# Altium PCB ModuleBackup4.PcbDoc (part 1 of 3)
Units mil, origin at the board's own origin, x right, y up, seen from the top; angles counter-clockwise.
Board outline 59055.12 x 27559.06 mil, 2 copper layers (Top Layer, Bottom Layer); 175 components, 153 nets, 566 pads, 403 vias.
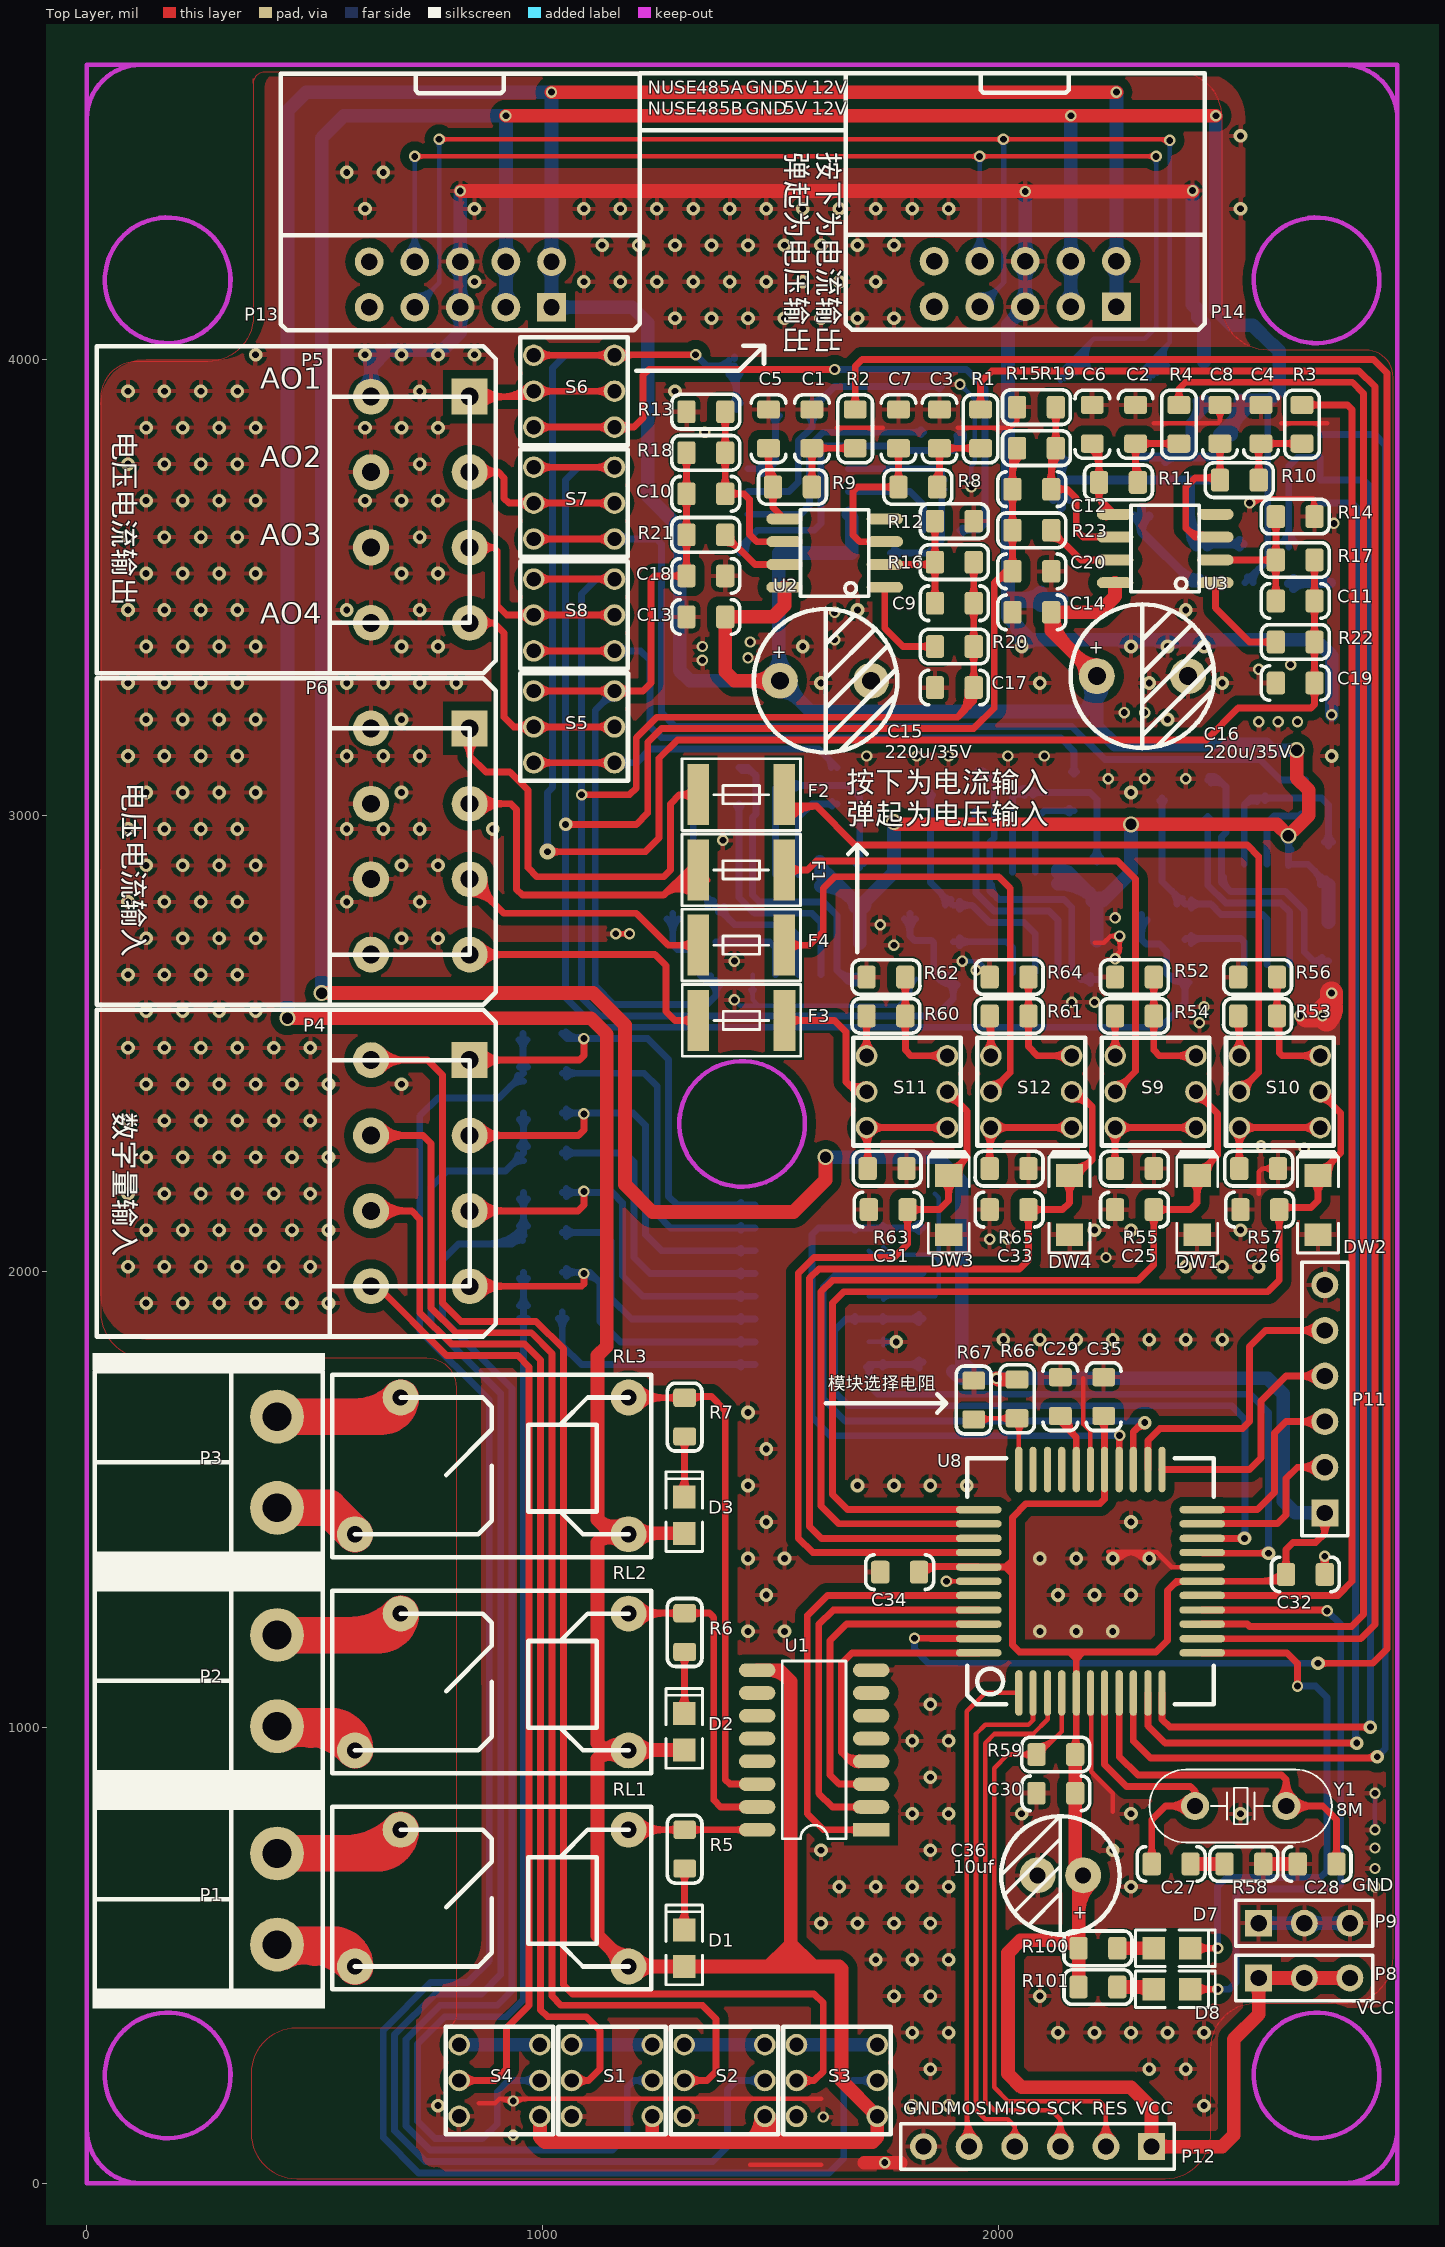
[diagram p0: Top Layer view]
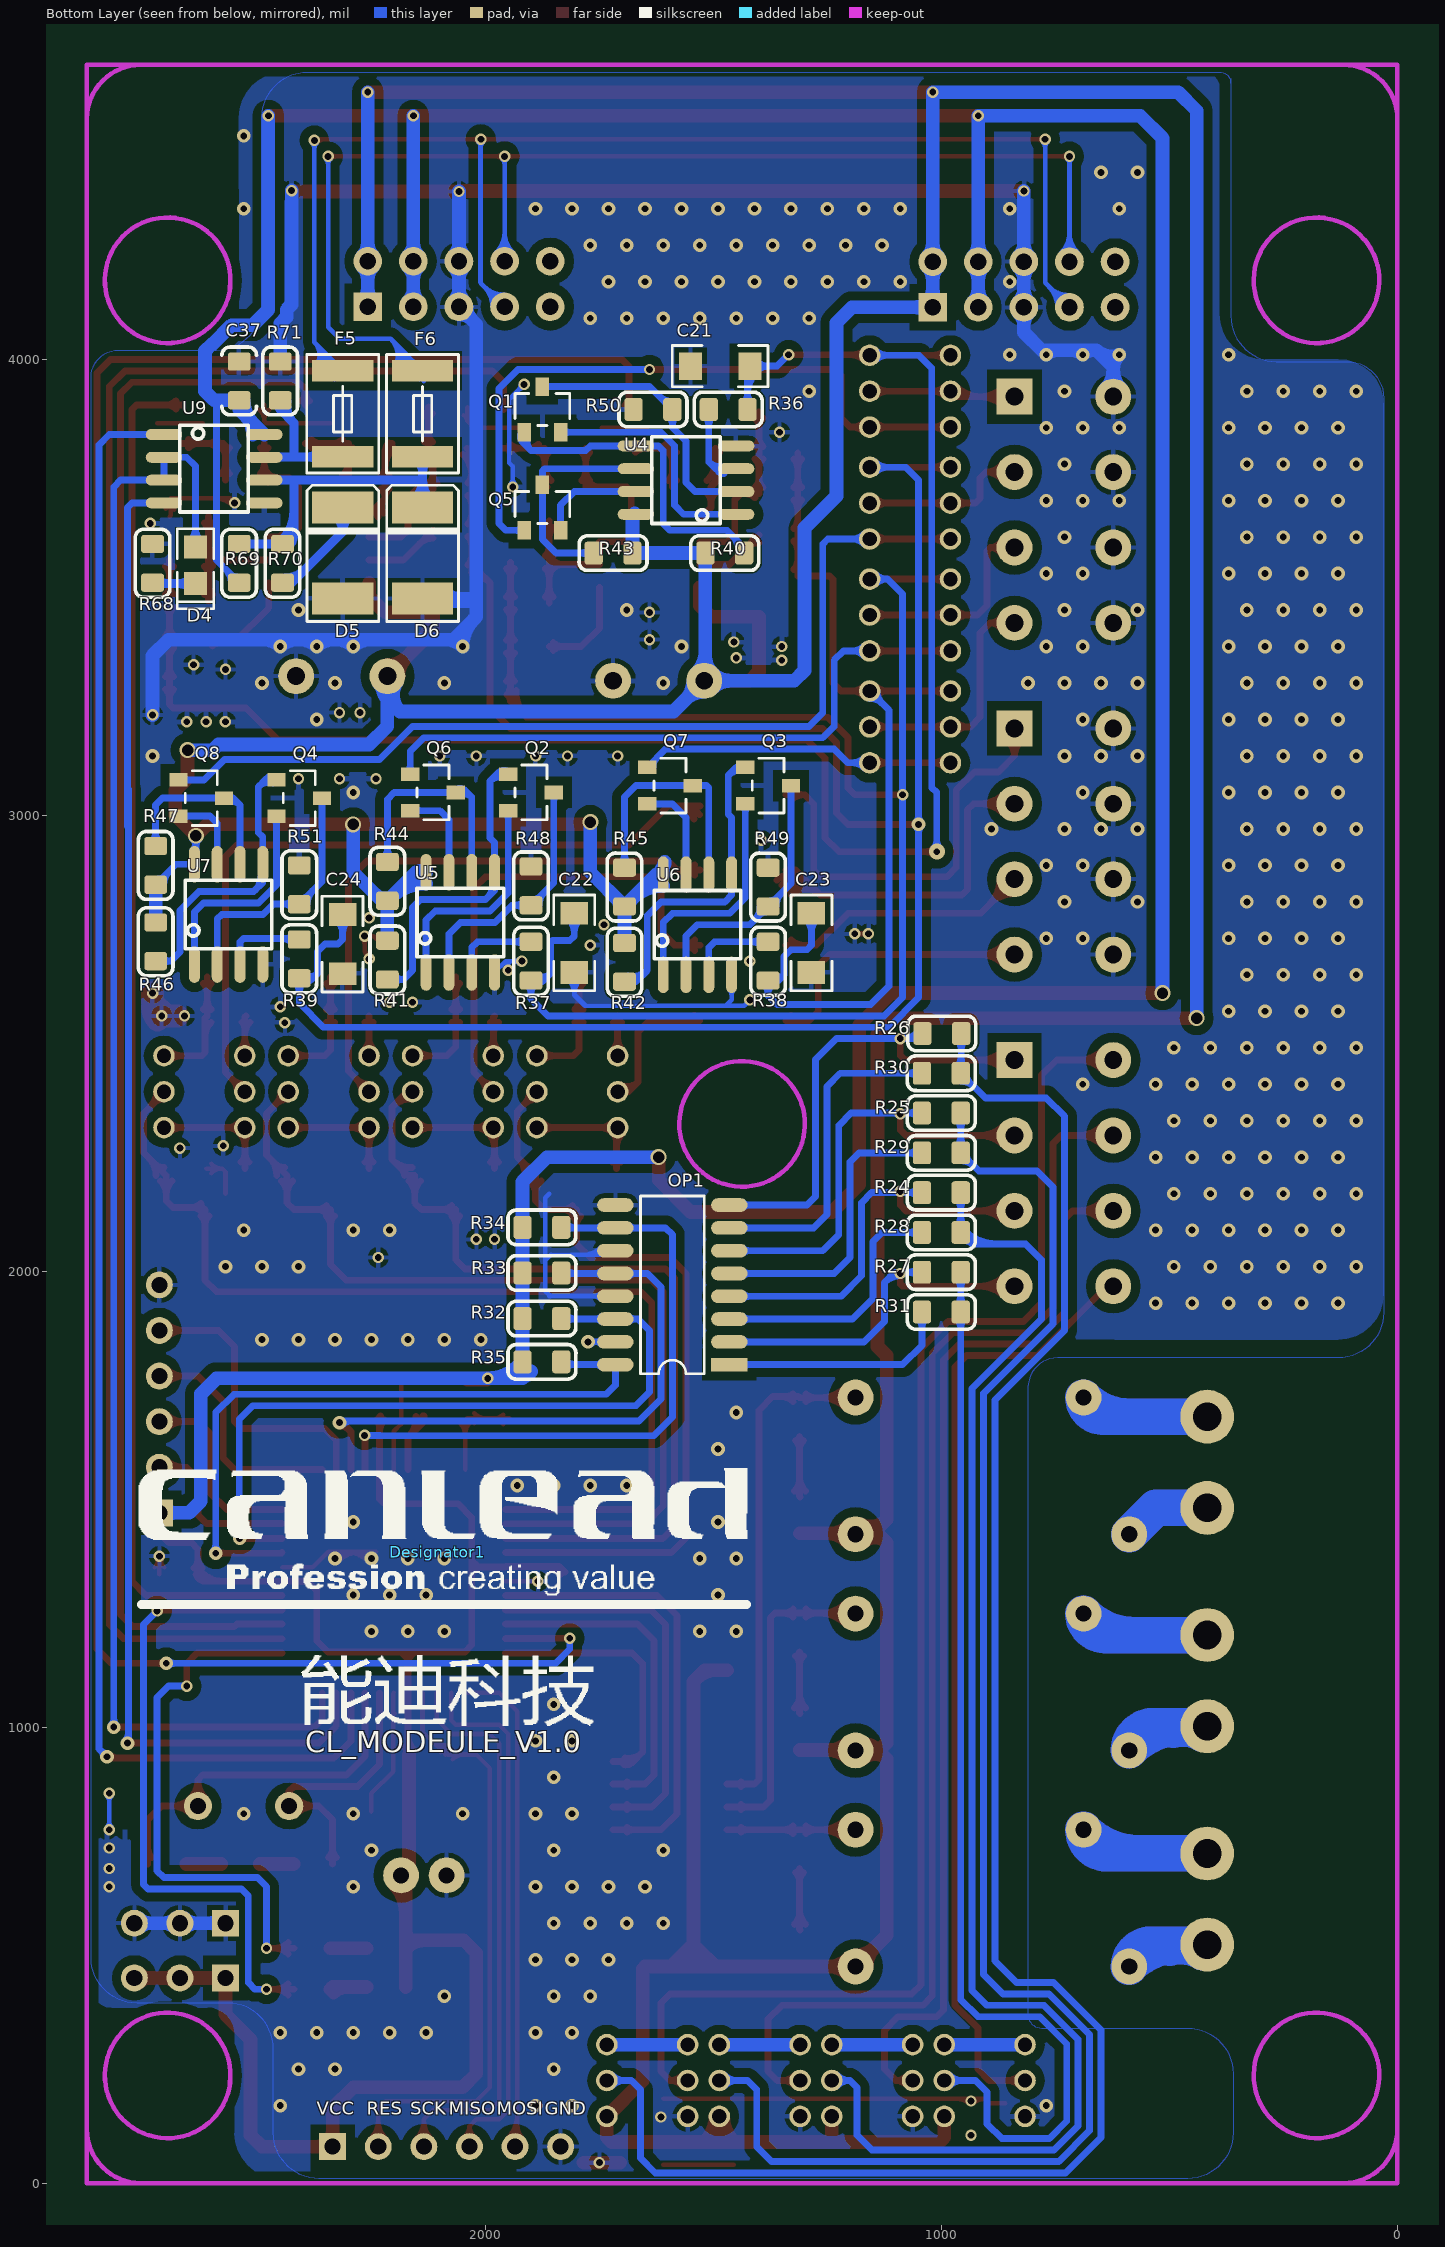
[diagram p1: Bottom Layer view, seen from below]
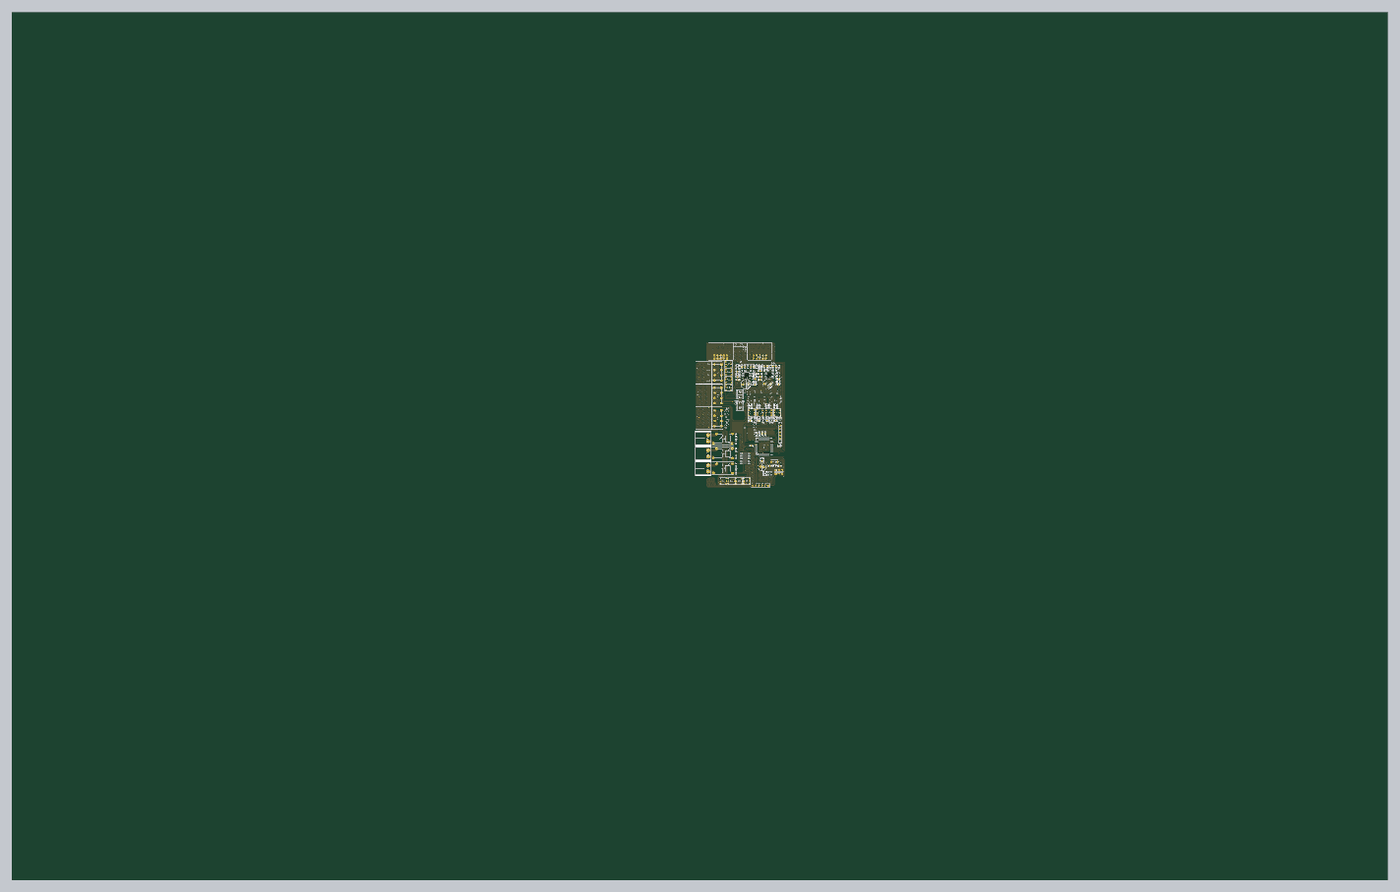
[diagram p4: 3D render of the assembled board from above, using the file's embedded part models]
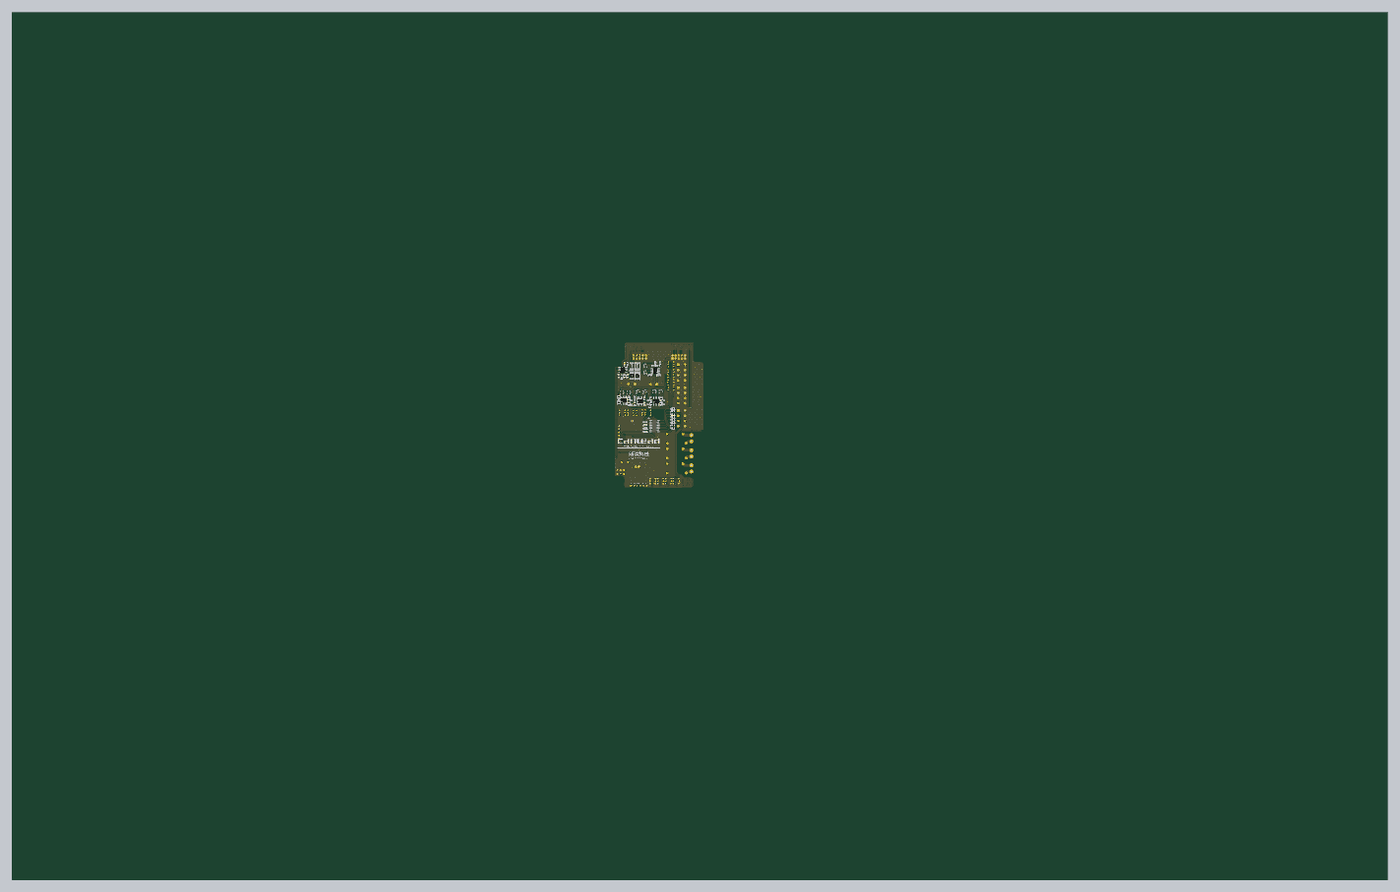
[diagram p5: 3D render of the assembled board from below, using the file's embedded part models]

## Layer stack, top to bottom
Top Solder: solder mask 0.4, Solder Resist, Dk 3.5
Top Layer: signal copper 1.4
Dielectric 1: dielectric 12.6, FR-4, Dk 4.8
Bottom Layer: signal copper 1.4
Bottom Solder: solder mask 0.4, Solder Resist, Dk 3.5

## Board outline
-21689.92,-12450.94 -21689.92,15108.11 37365.2,15108.11 37365.2,-12450.94

## Design rules (kind name [scope] priority, off if disabled: settings)
Clearance Clearance_1 [All] p1: gap=10
Clearance [All] p2: gap=20
ComponentClearance [All] p1 off: gap=10 collisioncheckmode=3 verticalgap=10 showdistances=FALSE
Height [All] p1 off: minheight=0 maxheight=1000 prefheight=500
MinimumSolderMaskSliver [All] p1 off: minsoldermaskwidth=10
PolygonConnect [All] p1: connectstyle=Relief reliefconductorwidth=10 reliefentries=4 polygonreliefangle="90 Angle" airgapwidth=10
RoomDefinition Module [InComponentClass('Module')] p1 off: confinementstyle=ConfineIn formatcopy=TRUE lockcomponents=FALSE outline 4272.5,2360 3457.5,2360 3457.5,1870 4272.5,1870
RoutingVias [All] p1: holewidth=28 width=50 viastyle="Through Hole" minholewidth=28 minwidth=50 maxholewidth=28 maxwidth=50
SilkToBoardRegionClearance [All] p1 off:
SilkToSilkClearance [All] p1 off: silktosilkclearance=10
SilkToSolderMaskClearance [IsPad] p1 off: minsilkscreentomaskgap=10 clearancetoexposedcopper=TRUE
SolderMaskExpansion [All] p1: expansion=4
Width [All] p1: maxlimit=100 minlimit=10 preferedwidth=15 minimp=50.000000 maximp=50.000000 favimp=50.000000
23 further rules are at their usual default settings.

## Components (designator, comment, footprint, x,y, rotation, side; value= is the part's Value field where it differs from the comment)
C1 "105" C0805C 1590,3847.5 r90 top
C2 "105" C0805C 2300,3857.5 r90 top
C3 "105" C0805C 1870,3847.5 r270 top
C4 "105" C0805C 2575,3857.5 r270 top
C5 "105" C0805C 1495,3847.5 r90 top
C6 "105" C0805C 2205,3857.5 r90 top
C7 "105" C0805C 1780,3847.5 r270 top
C8 "105" C0805C 2485,3857.5 r270 top
C9 "104" C0805C 1902.5,3465 r0 top
C10 "104" C0805C 1357.5,3705 r180 top
C11 "104" C0805C 2650.1,3470 r0 top
C12 "104" C0805C 2072.5,3715 r180 top
C13 "104" C0805C 1357.5,3435 r0 top
C14 "104" C0805C 2072.5,3445 r0 top
C15 "220u/35V" E8MM 1620,3295 r0 top
C16 "220u/35V" E8MM 2315,3305 r0 top
C17 "105" C0805C 1902.5,3280 r180 top
C18 "105" C0805C 1357.5,3525 r0 top
C19 "105" C0805C 2650.1,3290 r180 top
C20 "105" C0805C 2072.5,3535 r0 top
C21 "10u/16V" 1206 1485,3985 r0 bottom
C22 "10u/16V" 1206 1805,2720 r270 bottom
C23 "10u/16V" 1206 1285,2720 r270 bottom
C24 "10u/16V" 1206 2313.21,2717.5 r270 bottom
C25 "104" C0805C 2297.5,2135 r180 top
C26 "104" C0805C 2572.5,2135 r180 top
C27 "22p" C0805C 2378,700 r0 top
C28 "22p" C0805C 2698,699.91 r180 top
C29 "104" C0805C 2135,1725 r270 top
C30 "104" C0805C 2125,855 r0 top
C31 "104" C0805C 1757.5,2135 r180 top
C32 "104" C0805C 2672.5,1335 r180 top
C33 "104" C0805C 2022.5,2135 r180 top
C34 "104" C0805C 1782.5,1340 r0 top
C35 "104" C0805C 2230,1725 r90 top
C36 "10uf" E6.5MM 2185,675 r180 top
C37 "104" C0805C 2540,3952.5 r90 bottom
D1 "LED0" LED0805 1310,475 r270 top
D2 "LED0" LED0805 1310,950 r270 top
D3 "LED0" LED0805 1310,1425 r270 top
D4 "LED" LED0805 2636,3588.11 r90 bottom
D5 "SMBJ6.8" SMBJ_SMT 2312.9,3575 r90 bottom
D6 "SMBJ6.8" SMBJ_SMT 2137.9,3575 r90 bottom
D7 "LED" LED0805 2340,515 r180 top
D8 "LED" LED0805 2340,425 r180 top
Designator1 "Comment" ND 2105,1385 r180 bottom
DW1 "5.1V" 1206AK 2435,2145 r90 top
DW2 "5.1V" 1206AK 2700,2145 r90 top
DW3 "5.1V" 1206AK 1890,2145 r90 top
DW4 "5.1V" 1206AK 2155,2145 r90 top
F1 "X14" PPTC_SMT 1435,2880 r0 top
F2 "X14" PPTC_SMT 1435,3045 r0 top
F3 "X14" PPTC_SMT 1435.51,2550 r0 top
F4 "X14" PPTC_SMT 1435,2715 r0 top
F5 "X14" PPTC_SMT 2312.9,3880.56 r270 bottom
F6 "X14" PPTC_SMT 2137.9,3880.56 r270 bottom
OP1 "PS2512-4" SO_16 1590,1970 r90 bottom
P1 "DO" PL2Q 417,623 r270 top locked
P2 "DO" PL2Q 417,1102 r270 top locked
P3 "DO" PL2Q 417,1581 r270 top locked
P4 "DI输入" "8P _COM" 731.27,2215.03 r270 top locked
P5 "电压电流转换" "8P _COM" 731.27,3669.97 r270 top locked
P6 "AI输入" "8P _COM" 731.27,2942.5 r270 top locked
P8 "GND" HDR1X3 2570,450 r0 top
P9 "VCC" HDR1X3 2570,570 r0 top
P11 "JTAG" HDR1X6 2715,1470 r90 top
P12 "SPI" HDR1X6 2335,80 r180 top
P13 "Header 10H" FC10P_WAN 819,4164 r180 top locked
P14 "Header 10H" FC10P_WAN 2058,4165 r180 top
Q1 "NPN" SOT_23 1875,3890 r180 bottom
Q2 "NPN" SOT_23 1900,3050 r270 bottom
Q3 "NPN" SOT_23 1380,3065 r270 bottom
Q4 "NPN" SOT_23 2408.21,3037.5 r270 bottom
Q5 "PNP" SOT_23 1875,3675 r180 bottom
Q6 "PNP" SOT_23 2115,3050 r270 bottom
Q7 "PNP" SOT_23 1595,3065 r270 bottom
Q8 "PNP" SOT_23 2623.21,3037.5 r270 bottom
R1 "100K" 0805R 1960,3847.5 r90 top
R2 "100K" 0805R 1685,3847.5 r90 top
R3 "100K" 0805R 2665,3857.5 r90 top
R4 "100K" 0805R 2395,3857.5 r90 top
R5 "1K" 0805R 1311,732.5 r90 top
R6 "1K" 0805R 1311,1207.5 r90 top
R7 "1K" 0805R 1311,1680 r90 top
R8 "100K" 0805R 1822.5,3720 r0 top
R9 "100K" 0805R 1547.5,3720 r0 top
R10 "100K" 0805R 2527.5,3735 r0 top
R11 "100K" 0805R 2262.5,3730 r0 top
R12 "10K" 0805R 1902.5,3645 r0 top
R13 "10K" 0805R 1357.5,3885 r180 top
R14 "10K" 0805R 2650.1,3655 r0 top
R15 "10K" 0805R 2082.5,3895 r180 top
R16 "10K" 0805R 1902.5,3555 r180 top
R17 "10K" 0805R 2650,3560 r180 top
R18 "10K" 0805R 1357.5,3795 r0 top
R19 "10K" 0805R 2082.5,3805 r0 top
R20 "100R" 0805R 1902.5,3370 r180 top
R21 "100R" 0805R 1357.5,3615 r0 top
R22 "100R" 0805R 2650,3380 r180 top
R23 "100R" 0805R 2072.5,3625 r0 top
R24 "10K" 0805R 1000,2172.29 r0 bottom
R25 "10K" 0805R 1000,2346.86 r0 bottom
R26 "10K" 0805R 999,2521.43 r0 bottom
R27 "10K" 0805R 1000,1997.71 r0 bottom
R28 "10K" 0805R 1000,2085 r0 bottom
R29 "10K" 0805R 1000,2259.57 r0 bottom
R30 "10K" 0805R 1000,2434.15 r0 bottom
R31 "10K" 0805R 1000,1910.43 r0 bottom
R32 "10K" 0805R 1876.04,1896.09 r0 bottom
R33 "10K" 0805R 1876.04,1996.09 r0 bottom
R34 "10K" 0805R 1876.04,2096.09 r0 bottom
R35 "10K" 0805R 1876.04,1801.09 r0 bottom
R36 "200k" 0805R 1467.5,3890 r180 bottom
R37 "200k" 0805R 1900,2680 r270 bottom
R38 "200k" 0805R 1380,2680 r270 bottom
R39 "200k" 0805R 2408.21,2685 r270 bottom
R40 "1.5K" 0805R 1475,3575 r0 bottom
R41 "1.5K" 0805R 2215,2682.5 r90 bottom
R42 "1.5K" 0805R 1695,2677.5 r90 bottom
R43 "150R" 0805R 1720,3575 r180 bottom
R44 "150R" 0805R 2215,2855 r270 bottom
R45 "150R" 0805R 1695,2842.5 r270 bottom
R46 "1.5K" 0805R 2723.21,2722.5 r90 bottom
R47 "150R" 0805R 2723.21,2890 r270 bottom
R48 "1K" 0805R 1900,2845 r270 bottom
R49 "1K" 0805R 1380,2842.5 r270 bottom
R50 "1K" 0805R 1632.5,3890 r180 bottom
R51 "1K" 0805R 2408.21,2847.5 r270 bottom
R52 "10K" 0805R 2297.5,2560 r0 top
R53 "10K" 0805R 2567.5,2560 r0 top
R54 "10K" 0805R 2297.5,2645 r180 top
R55 "250R" 0805R 2297.5,2225 r0 top
R56 "10K" 0805R 2567.5,2645 r180 top
R57 "250R" 0805R 2570,2225 r0 top
R58 "1M" 0805R 2537.5,700 r0 top
R59 "10K" 0805R 2125,940 r0 top
R60 "10K" 0805R 1752.5,2560 r0 top
R61 "10K" 0805R 2022.5,2560 r0 top
R62 "10K" 0805R 1752.5,2645 r180 top
R63 "250R" 0805R 1755,2225 r0 top
R64 "10K" 0805R 2022.5,2645 r180 top
R65 "250R" 0805R 2022.5,2225 r0 top
R66 "10K" 0805R 2040,1720 r90 top
R67 "???" 0805R 1945,1717.5 r270 top
R68 "1K" 0805R 2730,3552.5 r270 bottom
R69 "3K" 0805R 2540,3552.5 r270 bottom
R70 "120R?" 0805R 2445,3552.5 r270 bottom
R71 "3K" 0805R 2450,3952.5 r270 bottom
R100 "1K" 0805R 2217.5,515 r0 top
R101 "1K" 0805R 2217.5,430 r0 top
RL1 "" HF32A4 888,625 r180 top locked
RL2 "" HF32A4 888,1099 r180 top locked
RL3 "" HF32A4 888,1573 r180 top locked
S1 "SW-DPDT" BUTTON 1151.67,225 r0 top
S2 "SW-DPDT" BUTTON 1398.33,225 r0 top
S3 "SW-DPDT" BUTTON 1645,225 r0 top
S4 "SW-DPDT" BUTTON 905,225 r0 top
S5 "SW-DPDT" BUTTON 1068.58,3193.74 r180 top
S6 "SW-DPDT" BUTTON 1068.58,3930 r180 top
S7 "SW-DPDT" BUTTON 1068.58,3684.58 r180 top
S8 "SW-DPDT" BUTTON 1068.58,3439.16 r180 top
S9 "SW-DPDT" button 2343.81,2393.74 r0 top
S10 "SW-DPDT" BUTTON 2616.42,2393.74 r0 top
S11 "SW-DPDT" BUTTON 1798.58,2393.74 r0 top
S12 "SW-DPDT" BUTTON 2071.19,2393.74 r0 top
U1 "2003" SO_16 1595,950 r90 top
U2 "LM358" SOP-08 1640,3575 r90 top
U3 "LM358" SOP-08 2365,3585 r90 top
U4 "LM358" SOP-08 1560,3735 r90 bottom
U5 "LM358" SOP-08 2055,2765 r180 bottom
U6 "LM358" SOP-08 1535,2760 r180 bottom
U7 "LM358" SOP-08 2563.21,2782.5 r180 bottom
U8 "Atmega16" QFP44 2201,1320 r90 top
U9 "U485" SOP8 2595,3760 r270 bottom
Y1 "8M" XTAL-M 2630.5,827 r180 top

## Footprints (in the part's own frame and the unit in brackets; to place one, negate y for a bottom-side part, rotate by r counter-clockwise, add the part's x,y. Pads: shape width x height; smd on the part's side, far side on the other; paste and mask are expansions set on the pad)
"8P _COM" [mm]
  rect 2x2 hole 1: 1(-6.3,2.75)
  round 2 hole 1: 2(-6.3,-2.75) 3(-2.1,2.75) 4(-2.1,-2.75) 5(2.1,2.75) 6(2.1,-2.75) 7(6.3,2.75) 8(6.3,-2.75)
  silkscreen extent -9.1,-18.04 9.1,4.2
0805R [mil]
  rrect30% 40x50 smd: 1(-42.5,0) 2(42.5,0)
  silkscreen extent -75,-38 75,38, body extent -39,-25 40,25, height 30
1206 [mil]
  rect 50x60 smd: 1(-65,0) 2(65,0)
  silkscreen extent -105,-45 105,45
1206AK [mil]
  rect 50x60 smd: A(-65,0) K(65,0)
  silkscreen extent -105,-45 118,45
BUTTON [mm]
  round 1.2 hole 0.8: 1(-2.25,0) 2(-2.25,2) 3(-2.25,-2) 4(2.25,0) 5(2.25,2) 6(2.25,-2)
  silkscreen extent -3,-3 3,3
button [mm]
  round 1.2 hole 0.8: 1(-2.25,0) 2(-2.25,2) 3(-2.25,-2) 4(2.25,0) 5(2.25,2) 6(2.25,-2)
  silkscreen extent -3,-3 3,3
C0805C [mil]
  rrect30% 40x50 smd: 1(-42.5,0) 2(42.5,0)
  silkscreen extent -75,-38 75,38, body extent -39,-25 39,25, height 30
E6.5MM [mm]
  round 2 hole 0.9: 1(0,0) 2(2.54,0)
  silkscreen extent -2.03,-3.3 4.57,3.3
E8MM [mm]
  round 2 hole 1: 1(-2.54,0) 2(2.54,0)
  silkscreen extent -4,-4 4,4, body extent -4.01,-4.04 4.01,3.99, height 7
FC10P_WAN [mm]
  rect 1.6x1.6 hole 0.914: 1(-5.08,1.27)
  round 1.6 hole 0.914: 2(-5.08,-1.27) 3(-2.54,1.27) 4(-2.54,-1.27) 5(0,1.27) 6(0,-1.27) 7(2.54,1.27) 8(2.54,-1.27) 9(5.08,1.27) 10(5.08,-1.27)
  silkscreen extent -10,-11.75 10,2.55
HDR1X3 [mm] "Connector; Header; 3 Position"
  rect 1.5x1.5 hole 0.9: 1(0,0)
  round 1.5 hole 0.9: 2(2.54,0) 3(5.08,0)
  silkscreen extent -1.27,-1.27 6.35,1.27
HDR1X6 [mm] "Connector; Header; 6 Position"
  rect 1.5x1.5 hole 0.9: 1(0,0)
  round 1.5 hole 0.9: 2(2.54,0) 3(5.08,0) 4(7.62,0) 5(10.16,0) 6(12.7,0)
  silkscreen extent -1.27,-1.27 13.97,1.27
HF32A4 [mm]
  round 2 hole 0.9: 1(-7.62,3.81) 2(-7.62,-3.81) 3(7.62,3.81) 4(5.08,-3.81)
  silkscreen extent -8.89,-5.08 8.89,5.08
LED0805 [mil]
  rect 50x50 smd: 1(0,0) 2(-80,0)
  silkscreen extent -135,-40 40,40
ND [mil]
  silkscreen extent -655,-382 679,182
PL2Q [mm]
  round 3 hole 1.6: 1(-2.54,0) 2(2.54,0)
  silkscreen extent -6.1,-10.29 6.1,2.67